# Altium PCB NC1-1A-BASIS.PcbDoc (part 2 of 3) (continued)
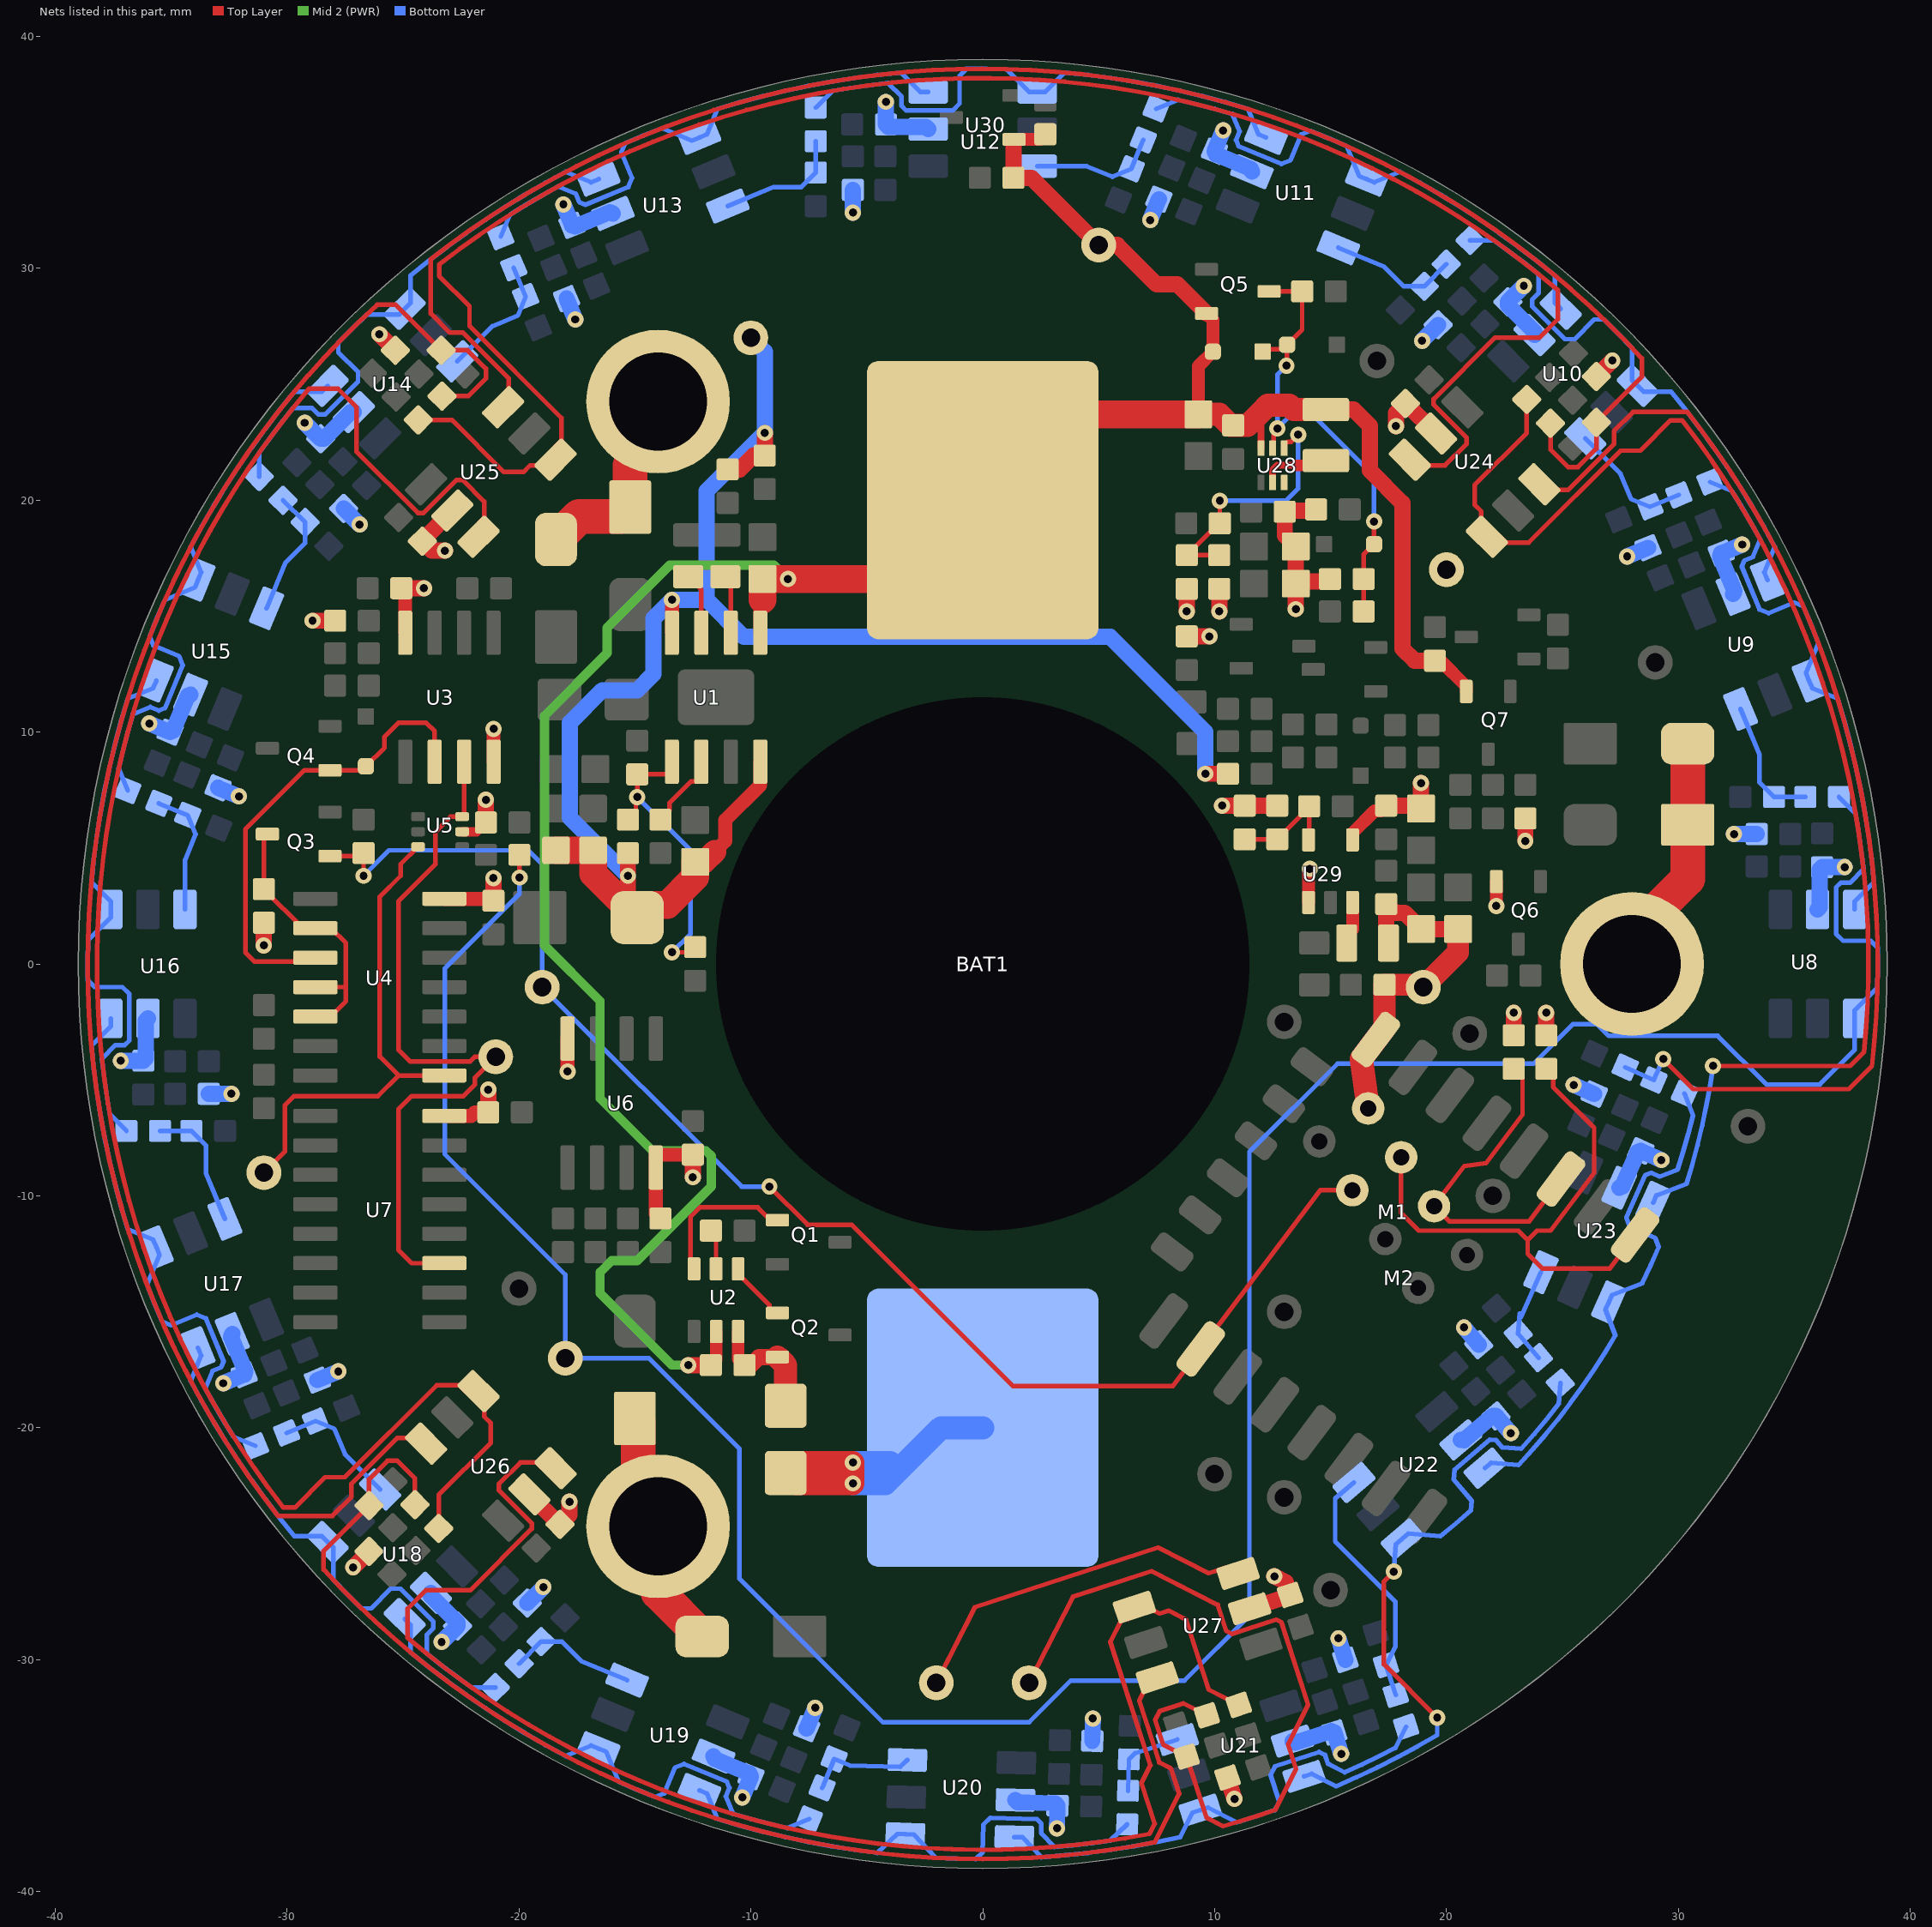
[diagram p4: the nets of this part, all layers, seen from the top]
## Part data (continued)
U30: "Ultra Low Power Hall Switch Open Drain", JLC Type=Extended, Manufacturer="UTC(Unisonic Tech)", Manufacturer Part Number 3=UHE4913G-AE3-R, Package=SOT23, HelpURL=https://datasheet.lcsc.com/lcsc/1811061532_UTC-Unisonic-Tech-UHE4913G-AE3-R_C86815.pdf, Manufacturer 3="UTC(Unisonic Tech)", Part Number=UHE4913, Supplier 3=LCSC, Supplier Part Number 3=C86815

## Via types
v1: diameter 0.7, hole 0.35, Top Layer to Bottom Layer, tented both sides, 200 vias
v2: diameter 0.7, hole 0.35, Top Layer to Bottom Layer, 8 vias

## Nets (pads, with @x,y where several pads share a name; then routed paths per layer and width w, separated by ;. In a path a pad name is that pad's centre, name@x,y a point inside that pad or via, vN(x,y) a via of type N, cw(c..) or ccw(c..) an arc to the next point about the centre after c; other vN are vias at no path point)
3V3_FB: C58.2 R81.2 R84.1 U29.5 | length 4.9
  Top Layer w0.2: C58.2@11.3,5.375 R81.2@12.7,5.375 14.075,6.75 R84.1@14.075,6.8 14.075,5.375 U29.5@14.05,5.35
3V3_SW: L2.1 U29.3 | length 1.9
  Top Layer w0.55: L2.1@15.7,0.9 15.7,1.25 15.95,1.5 U29.3@15.95,2.65
5V2_FB: C55.2 R80.2 R83.2 U28.1@13,22.24 | length 11.2
  Top Layer w0.2: C55.2@10.2,17.625 R80.2@8.8,17.625 9.8,18.625 9.85,18.625 R83.2@10.225,19 v1(10.225,19.975) ; U28.1@13,22.24 13,22.368 13.15,22.518 13.3,22.518 v1(13.603,22.821)
  Bottom Layer w0.2: v1(10.225,19.975) 13.075,19.975 13.603,20.503 v1(13.603,22.821)
5V2_SW: L1.2 U28.5 | length 3
  Top Layer w0.3: U28.5@12.5,20.76 12.5,21.3 12.7,21.5 13.5,21.5
  Top Layer w0.5: 13.5,21.5 14.6,21.5 L1.2@14.8,21.7
+3V3: C58.1 C64.2 C65.1 C66.1 L2.2 M1.8 M2.8 Q6.2 R10.1 R11.1 R81.1 R89.1 R90.1 TP18.1 | length 22.1
  Top Layer w0.55: v1(22.15,2.5) Q6.2@22.15,3.55
  Top Layer w0.7: v1(10.325,6.825) C58.1@11.3,6.825 R81.1@12.7,6.825 ; L2.2@17.5,0.9 17.4,1 C64.2@17.4,2.575 17.775,2.2 18.2,2.2 C65.1@18.9,1.5 C66.1@20.5,1.5 ; R11.1@22.9,-3.075 v1(22.9,-2.1) ; v1(23.4,5.3) R90.1@23.4,6.275 ; R10.1@24.3,-3.075 v1(24.3,-2.1)
  Top Layer w0.95: M2.8@17.325,-2.764 R89.1@17.325,-0.9 18.9,-0.9 TP18.1@19,-1 20.5,0.5 C66.1@20.5,1.5
  Top Layer w1: M1.8@16.622,-6.231 16.322,-4.095 M2.8@16.953,-3.259 M2.8@17.325,-2.764
+5V2: C5.1 C8.1 C9.1 C13.1 C14.1 C15.1 C17.1 C19.1 C21.1 C23.1 C25.1 C27.1 C29.1 C31.1 C33.1 C35.1 C37.1 C39.1 C41.1 C43.1 C45.1 C47.1 C49.1 C51.1 C53.1 C55.1 C59.2 C60.1 C61.1 C62.1 C63.2 C67.2 R12.1 R13.1 R17.1 R20.1 R23.1 R26.1 R29.1 R32.1 R35.1 R38.1 R41.1 R44.1 R47.1 R50.1 R53.1 R56.1 R59.1 R62.1 R65.1 R68.1 R71.1 R74.1 R77.1 R80.1 R85.2 R88.1 TP17.1 U3.4 U3.8 U4.14 U5.5 U6.4 U6.8 U7.16 U8.2 U9.2 U10.2 U11.2 U12.2 U13.2 U14.2 U15.2 U16.2 U17.2 U18.2 U19.2 U20.2 U21.2 U22.2 U23.2 U24.2 U25.2 U26.2 U27.2 U28.6 U29.1@14.05,2.65 U29.4 | length 115.5
  Top Layer w0.4: U5.5@-22.45,5.7 -21.825,5.7 C9.1@-21.425,6.1
  Top Layer w0.55: U29.1@14.05,2.65 14.05,4.05 v1(14.1,4.1) ; U29.4@15.95,5.35 15.95,5.65 16.9,6.6 17.175,6.6 C63.2@17.4,6.825
  Top Layer w0.6: C5.1@-25.075,16.2 -24.905,16.03 U3.8@-24.905,14.28 ; U7.16@-23.22,-6.555 -22.055,-6.555 -21.9,-6.4 C14.1@-21.325,-6.4 ; U4.14@-23.22,2.81 -23.215,2.805 -21.18,2.805 C8.1@-21.1,2.725 ; U3.4@-21.095,8.72 v1(-21.095,10.14) ; v1(-17.905,-4.64) U6.4@-17.905,-3.22 ; R17.1@-13.9,-10.975 -14.095,-10.78 U6.8@-14.095,-8.78 -14.095,-8.225 C13.1@-12.5,-8.225
  Top Layer w0.7: v1(-31,0.8) R12.1@-31,1.775 ; v1(-28.9,14.8) R13.1@-27.925,14.8 ; v1(-27.153,-26.022) R74.1@-26.463,-25.332 ; v1(-26.022,27.153) R71.1@-25.332,26.463 ; C5.1@-25.075,16.2 v1(-24.1,16.2) ; C49.1@-24.165,18.226 -23.759,17.819 v1(-23.193,17.819) ; C49.1@-24.165,18.261 U25.2@-22.875,19.552 ; C9.1@-21.425,6.1 v1(-21.425,7.075) ; C14.1@-21.325,-6.4 v1(-21.325,-5.425) ; C8.1@-21.1,2.725 v1(-21.1,3.7) ; U26.2@-19.552,-22.875 C51.1@-18.261,-24.165 ; C51.1@-18.226,-24.165 -17.819,-23.759 v1(-17.819,-23.193) ; v1(-12.5,-9.2) C13.1@-12.5,-8.225 ; R88.1@8.8,14.125 v1(9.775,14.125) ; v1(8.8,15.2) R80.1@8.8,16.175 ; v1(10.2,15.2) C55.1@10.2,16.175 ; R77.1@10.557,-35.08 v1(10.858,-36.007) ; U27.2@11.505,-27.806 C53.1@13.241,-27.242 ; v1(12.576,-26.406) 13.08,-26.663 C53.1@13.257,-27.21 ; v1(13.5,15.3) C60.1@13.5,16.4 ; R85.2@14.375,19.6 14.325,19.55 13.075,19.55 C59.2@13.025,19.5 13.025,18.475 C61.1@13.5,18 C60.1@13.5,16.4 ; C67.2@14.975,16.6 14.875,16.5 13.6,16.5 C60.1@13.5,16.4 ; C63.2@17.4,6.825 18.775,6.825 C62.1@18.9,6.7 v1(18.9,7.8) ; v1(17.819,23.193) 17.819,23.759 C47.1@18.226,24.165 ; C47.1@18.261,24.165 U24.2@19.552,22.875 ; R68.1@26.463,25.332 v1(27.153,26.022)
  Bottom Layer w0.7: v1(-37.175,-4.175) C31.1@-36.2,-4.175 -36.1,-4.075 -36.1,-2.45 U16.2@-36,-2.35 ; v1(-35.943,10.369) C29.1@-35.042,9.996 -34.911,10.05 -34.29,11.551 U15.2@-34.159,11.605 ; R44.1@-33.375,-5.6 v1(-32.4,-5.6) ; R41.1@-32.978,7.598 v1(-32.077,7.225) ; v1(-32.748,-18.083) C33.1@-31.847,-17.71 -31.793,-17.58 -32.414,-16.078 U17.2@-32.36,-15.948 ; v1(-29.239,23.335) C27.1@-28.549,22.645 -28.408,22.645 -27.259,23.794 U14.2@-27.118,23.794 ; R47.1@-28.691,-17.946 v1(-27.791,-17.573) ; R38.1@-27.559,19.64 v1(-26.87,18.95) ; U18.2@-23.794,-27.118 -23.794,-27.259 -22.645,-28.408 C35.1@-22.645,-28.549 v1(-23.335,-29.239) ; R50.1@-19.64,-27.56 v1(-18.95,-26.87) ; v1(-18.083,32.748) C25.1@-17.71,31.847 -17.58,31.793 -16.078,32.414 U13.2@-15.948,32.36 ; R35.1@-17.946,28.691 v1(-17.573,27.791) ; U19.2@-11.605,-34.159 -11.551,-34.29 -10.05,-34.911 C37.1@-9.996,-35.042 v1(-10.369,-35.943) ; R53.1@-7.598,-32.978 v1(-7.225,-32.077) ; v1(-5.6,32.4) R32.1@-5.6,33.375 ; v1(-4.175,37.175) C23.1@-4.175,36.2 -4.075,36.1 -2.45,36.1 U12.2@-2.35,36 ; U20.2@1.407,-36.049 1.504,-36.152 3.129,-36.194 C39.1@3.226,-36.297 v1(3.2,-37.272) ; R56.1@4.724,-33.51 v1(4.75,-32.535) ; v1(7.225,32.077) R29.1@7.598,32.978 ; v1(10.369,35.943) C21.1@9.996,35.042 10.05,34.911 11.551,34.29 U11.2@11.605,34.159 ; U21.2@13.36,-33.512 13.486,-33.576 15.031,-33.074 C41.1@15.157,-33.138 v1(15.458,-34.065) ; v1(15.338,-29.084) R59.1@15.639,-30.011 ; v1(18.95,26.87) R26.1@19.64,27.56 ; U22.2@20.621,-20.526 20.762,-20.537 21.998,-19.481 C43.1@22.139,-19.492 v1(22.772,-20.234) ; v1(20.754,-15.677) R62.1@21.387,-16.419 ; v1(23.335,29.239) C19.1@22.645,28.549 22.645,28.408 23.794,27.259 U10.2@23.794,27.118 ; v1(25.482,-5.215) R65.1@26.373,-5.612 ; U23.2@27.449,-9.649 27.581,-9.598 28.242,-8.113 C45.1@28.374,-8.063 v1(29.264,-8.459) ; v1(27.791,17.573) R23.1@28.691,17.946 ; U9.2@32.36,15.948 32.414,16.078 31.793,17.58 C17.1@31.847,17.71 v1(32.748,18.083) ; v1(32.4,5.6) R20.1@33.375,5.6 ; U8.2@36,2.35 36.1,2.45 36.1,4.075 C15.1@36.2,4.175 v1(37.175,4.175)
+5V_CHG: C3.1 D4.1 R1.2 R2.2 R3.1 R4.1 R5.1 R94.1 TP1.1 U1.4 U1.8 | length 77.9
  Top Layer w0.6: U1.8@-13.4,14.285 v1(-13.4,15.7) ; -11.55,4.85 -11.1,5.3 -11.1,6.2 -9.595,7.705 U1.4@-9.595,8.72
  Top Layer w0.7: R5.1@-15.3,4.775 v1(-15.3,3.8) -15.3,2.4 D4.1@-14.9,2 ; R4.1@-11,21.325 -10.475,21.325 -9.875,21.925 R3.1@-9.4,21.925 v1(-9.4,22.9) ; v1(9.6,8.2) R94.1@10.575,8.2
  Top Layer w1: C3.1@-12.4,4.4 -12,4.4 -11.55,4.85
  Top Layer w1.2: R1.2@-18.4,4.9 R2.2@-16.8,4.9 -16.8,3.9 D4.1@-15.3,2.4 ; D4.1@-14.9,2 -14.35,2.55 -13.594,2.55 -12.4,3.744 C3.1@-12.4,4.4
  Bottom Layer w0.7: v1(-15.3,3.8) -17.8,6.3 -17.8,8.2 -17.8,10.402 -16.402,11.8 -14.902,11.8 -14.2,12.502 -14.2,14.9 v1(-13.4,15.7) -11.9,15.7 ; TP1.1@-10,27 -9.4,26.4 v1(-9.4,22.9) -11.9,20.4 -11.9,15.7 ; v1(9.6,8.2) 9.6,10 5.5,14.1 -10.3,14.1 -11.9,15.7
+VBAT: BAT1.1 C2.1 C4.1 C56.1 C57.2 C68.1 D11.1 L1.1 Q5.2 Q7.2 R82.1 R91.1 TP2.1 U1.5 U2.5 U28.3 U30.1@1.35,35.55 | length 119.9
  Top Layer w0.3: U28.3@12,22.24 12,23.8
  Top Layer w0.55: C4.1@-11.725,-17.3 -11.49,-17.065 U2.5@-11.49,-15.85 ; U30.1@1.35,35.55 2.475,35.55 R82.1@2.7,35.775 ; C56.1@9.3,23.7 9.3,25.775 D11.1@9.925,26.4 9.925,27.775 Q5.2@9.65,28.05 ; R91.1@19.5,13.075 19.75,13.075 20.85,11.975 Q7.2@20.85,11.75
  Top Layer w0.6: U1.5@-9.595,14.28 -9.595,15.605 -9.5,15.7
  Top Layer w0.7: v1(-12.7,-17.3) C4.1@-11.725,-17.3 ; U30.1@1.325,35.475 C68.1@1.325,33.9 2.1,33.9 TP2.1@5,31 5.8,31 7.5,29.3 8.4,29.3 Q5.2@9.65,28.05 ; L1.1@14.8,23.9 16,23.9 16.7,23.2 16.7,21.275 18.1,19.875 18.1,13.6 18.625,13.075 R91.1@19.5,13.075
  Top Layer w1: C56.1@9.3,23.7 10.2,23.7 10.675,23.225 C57.2@10.8,23.225 11.425,23.225 12,23.8 12.3,24.1 13.214,24.1 13.414,23.9 L1.1@14.8,23.9
  Top Layer w1.2: -9.5,15.7 C2.1@-9.5,16.6 v1(-8.4,16.6) -3.4,16.6 3.7,23.7 C56.1@9.3,23.7
  Mid 2 (PWR) w0.4: v1(-12.7,-17.3) -13.4,-17.3 -16.5,-14.2 -16.5,-13.3 -16,-12.8 -14.9,-12.8 -11.7,-9.6 -11.7,-8.284 -11.934,-8.05 -14.25,-8.05 -16.5,-5.8 -16.5,-1.6 -18.9,0.8 -18.9,10.7 -16.2,13.4 -16.2,14.5 -13.5,17.2 -9,17.2 v1(-8.4,16.6)
-VBAT: BAT1.2 F2.1 | length 16.2
  Top Layer w1: F2.1@-8.5,-21.95 -8.05,-22.4 -7.1,-22.4 v1(-5.6,-22.4) v1(-5.6,-21.5) -7.1,-21.5 -8.05,-21.5 F2.1@-8.5,-21.95
  Bottom Layer w1: BAT1.2@-4,-21.5 v1(-5.6,-21.5) v1(-5.6,-22.4) -4.2,-22.4 -3.65,-21.85 -1.8,-20 BAT1.2@0,-20
-VBAT_PROT: C4.2 F2.2 Q2.2 U2.6 | length 5.4
  Top Layer w0.55: U2.6@-10.55,-15.85 -10.55,-17.025 C4.2@-10.275,-17.3
  Top Layer w0.7: C4.2@-10.275,-17.3 -10,-17.3 -9.65,-16.95 Q2.2@-8.85,-16.95
  Top Layer w1: Q2.2@-8.85,-16.95 -8.5,-17.3 F2.2@-8.5,-19.05
B1: R21.2 R22.2 U9.6 | length 5.6
  Bottom Layer w0.2: U9.6@32.681,10.993 33.5,9.015 33.5,7.825 R21.2@34.125,7.2 R22.2@35.475,7.2
B2: R24.2 R25.2 U10.6 | length 5.6
  Bottom Layer w0.2: U10.6@25.986,22.663 27.5,21.149 27.955,20.049 R24.2@28.772,19.711 R25.2@30.019,20.228
B3: R27.2 R28.2 U11.6 | length 5.6
  Bottom Layer w0.2: U11.6@15.335,30.882 17.313,30.063 18.155,29.221 R27.2@19.039,29.221 R28.2@19.993,30.176
B4: R30.2 R31.2 U12.6 | length 5.6
  Bottom Layer w0.2: U12.6@2.35,34.4 4.491,34.4 5.591,33.944 R30.2@6.407,34.283 R31.2@6.924,35.53
B5: R33.2 R34.2 U13.6 | length 5.6
  Bottom Layer w0.2: U13.6@-10.993,32.681 -9.015,33.5 -7.825,33.5 R33.2@-7.2,34.125 R34.2@-7.2,35.475
B6: R36.2 R37.2 U14.6 | length 5.6
  Bottom Layer w0.2: U14.6@-22.663,25.986 -21.149,27.5 -20.049,27.955 R36.2@-19.711,28.772 R37.2@-20.228,30.019
B7: R39.2 R40.2 U15.6 | length 5.6
  Bottom Layer w0.2: U15.6@-30.882,15.335 -30.063,17.313 -29.221,18.155 R39.2@-29.221,19.039 R40.2@-30.176,19.993
B8: R42.2 R43.2 U16.6 | length 5.6
  Bottom Layer w0.2: R43.2@-35.53,6.924 R42.2@-34.283,6.407 -33.944,5.591 -34.4,4.491 U16.6@-34.4,2.35
B9: R45.2 R46.2 U17.6 | length 5.6
  Bottom Layer w0.2: R46.2@-35.475,-7.2 R45.2@-34.125,-7.2 -33.5,-7.825 -33.5,-9.015 U17.6@-32.681,-10.993
B10: R48.2 R49.2 U18.6 | length 5.6
  Bottom Layer w0.2: R49.2@-30.019,-20.228 R48.2@-28.772,-19.711 -27.955,-20.049 -27.5,-21.149 U18.6@-25.986,-22.663
B11: R51.2 R52.2 U19.6 | length 5.6
  Bottom Layer w0.2: R52.2@-19.993,-30.176 R51.2@-19.039,-29.221 -18.155,-29.221 -17.313,-30.063 U19.6@-15.335,-30.882
B12: R54.2 R55.2 U20.6 | length 4.7
  Bottom Layer w0.2: R55.2@-6.924,-35.53 R54.2@-6.407,-34.283 -5.732,-34.562 -3.558,-34.619 U20.6@-3.25,-34.327
B13: R57.2 R58.2 U21.6 | length 3.6
  Bottom Layer w0.2: R58.2@6.269,-35.651 R57.2@6.304,-34.302 6.571,-34.035 U21.6@8.395,-33.443
B14: R60.2 R61.2 U22.6 | length 10.8
  Bottom Layer w0.2: U22.6@16.008,-22.361 15.2,-23.051 15.2,-24.9 17.794,-27.494 17.794,-29.442 R60.2@17.393,-30.23 R61.2@17.81,-31.514
B15: R63.2 R64.2 U23.6 | length 4.4
  Bottom Layer w0.2: 23.161,-15.069 R63.2@23.091,-15.95 R64.2@23.968,-16.977 ; 23.205,-15.247 U23.6@24.075,-13.291
B16: R66.2 R67.2 U24.6 | length 50.6
  Top Layer w0.2: U24.6@24.006,20.683 24.254,20.435 25.244,20.435 27.224,22.415 27.224,22.981 28.043,23.8 30.389,23.8 cw(c0,0) 38.349,-4.394 37.343,-5.4 30.644,-5.4 v1(29.344,-4.1)
  Bottom Layer w0.2: R66.2@27.708,-4.455 R67.2@28.942,-5.004 v1(29.344,-4.1)
B17: R69.2 R70.2 U25.6 | length 74.3
  Top Layer w0.2: U25.6@-20.683,24.006 -20.435,24.254 -20.435,25.244 -22.415,27.224 -22.981,27.224 -23.8,28.043 -23.8,30.389 cw(c0,0) 28.426,26.114 28.426,25.314 R69.2@26.463,23.352 26.463,22.221 25.668,21.425 25.244,21.425 24.484,22.185 R70.2@24.484,23.317
B18: R72.2 R73.2 U26.6 | length 74.3
  Top Layer w0.2: U26.6@-24.006,-20.683 -24.254,-20.435 -25.244,-20.435 -27.224,-22.415 -27.224,-22.981 -28.043,-23.8 -30.389,-23.8 cw(c0,0) -26.114,28.426 -25.314,28.426 R72.2@-23.352,26.463 -22.221,26.463 -21.425,25.668 -21.425,25.244 -22.185,24.484 R73.2@-23.317,24.484
B19: R75.2 R76.2 U27.6 | length 56.1
  Top Layer w0.2: R76.2@-24.484,-23.317 -24.484,-22.185 -25.244,-21.425 -25.668,-21.425 -26.463,-22.221 R75.2@-26.463,-23.352 -28.426,-25.314 -28.426,-26.114 ccw(c0,0) 7.409,-37.882 8.475,-35.791 8.117,-34.69 7.613,-34.433 6.748,-31.77 7.197,-30.888 U27.6@7.53,-30.78
B20: R78.2 R79.2 TP16.1 | length 34.2
  Top Layer w0.2: TP16.1@2,-31 3.895,-27.282 7.279,-26.182 10.137,-27.638 10.502,-28.762 10.754,-28.891 12.656,-28.273 12.877,-28.385 14.036,-31.952 13.166,-33.657 13.511,-34.718 12.613,-36.481 cw(c0,0) 10.363,-37.183 9.65,-36.82 R78.2@8.793,-34.181 7.785,-33.667 7.437,-32.597 7.63,-32.219 8.652,-31.887 R79.2@9.66,-32.401
BMS_CS: R9.1 U2.2 | length 1.7
  Top Layer w0.2: R9.1@-11.725,-11.5 -11.5,-11.725 U2.2@-11.5,-13.15
BMS_OC: Q1.1@-8.85,-11.05 U2.3 | length 6.5
  Top Layer w0.2: U2.3@-12.45,-13.15 -12.6,-13 -12.6,-10.9 -12.2,-10.5 -9.7,-10.5 -9.15,-11.05 Q1.1@-8.85,-11.05
BMS_OD: Q2.1@-8.85,-15.05 U2.1@-10.55,-13.15 | length 2.7
  Top Layer w0.2: U2.1@-10.55,-13.15 -10.55,-13.35 -9.2,-14.7 -9.2,-14.9 -9.05,-15.05 Q2.1@-8.85,-15.05
CHG_A: D1.2 D7.1 J1.1 | length 10.5
  Top Layer w1.5: J1.1@28,0 28,1.272 30.4,3.672 D7.1@30.4,9.5
CHG_B: D2.2 D8.1 J2.1 | length 8.6
  Top Layer w1.5: D8.1@-18.4,18.3 -17.4,19.3 -15.6,19.3 D2.2@-15.2,19.7 ; D2.2@-15.2,19.9 -15.2,21.5 -14,22.7 J2.1@-14,24.249
CHG_C: D3.2 D9.1 J3.1 | length 10.6
  Top Layer w1.5: D3.2@-15,-19.6 -14.85,-19.75 -14.85,-23.399 J3.1@-14,-24.249 -14,-27.1 D9.1@-12.1,-29
CHG_CHRG: D6.1 U1.7 | length 2.7
  Top Layer w0.2: D6.1@-12.7,16.7 -12.135,16.135 U1.7@-12.135,14.28
CHG_PROG: R8.1 U1.2 | length 3.4
  Top Layer w0.2: R8.1@-13.9,6.225 -13.5,6.625 -13.5,6.949 -12.584,7.865 -12.34,7.865 -12.135,8.07 U1.2@-12.135,8.72
CHG_STDBY: D5.1 U1.6 | length 2.5
  Top Layer w0.2: D5.1@-11.1,16.7 -10.865,16.465 U1.6@-10.865,14.28
CHG_TEMP: R5.2 R6.1 R7.1 U1.1@-13.405,8.72 | length 13.1
  Top Layer w0.2: R5.2@-15.3,6.225 -14.96,6.565 -14.96,7.14 v1(-14.9,7.2) R7.1@-14.9,8.175 -13.61,8.175 -13.405,8.38 U1.1@-13.405,8.72 ; v1(-13.4,0.5) -12.625,0.5 R6.1@-12.4,0.725
  Bottom Layer w0.2: v1(-14.9,7.2) -12.6,4.9 -12.6,1.3 v1(-13.4,0.5)
D1: R25.1 U8.3 U9.4 | length 23.6
  Bottom Layer w0.2: R25.1@31.359,20.783 32.302,20.392 cw(c0,0) 33.528,18.306 33.214,17.546 32.844,17.393 32.736,17.132 33.501,15.284 33.893,15.121 35.002,15.581 35.385,15.422 cw(c0,0) 36.037,13.83 35.503,12.541 U9.4@35.637,12.218 35.771,11.894 36.865,11.441 cw(c0,0) 38.438,3.538 37.6,2.7 U8.3@37.6,2.35
D2: R28.1 U9.3 U10.4 | length 23.6
  Bottom Layer w0.2: R28.1@21.019,31.201 22.039,31.201 cw(c0,0) 23.971,29.743 23.971,28.921 23.688,28.638 23.688,28.355 25.102,26.941 25.527,26.941 26.375,27.789 26.79,27.789 cw(c0,0) 28.001,26.568 28.001,25.173 U10.4@28.249,24.926 28.496,24.678 29.681,24.678 cw(c0,0) 34.158,17.978 33.705,16.883 U9.3@33.839,16.56
D3: R31.1 U10.3 U11.4 | length 23.6
  Bottom Layer w0.2: R31.1@7.479,36.87 8.422,37.26 cw(c0,0) 10.764,36.652 11.079,35.892 10.926,35.523 11.034,35.262 12.882,34.496 13.274,34.659 13.733,35.767 14.116,35.926 cw(c0,0) 15.703,35.262 16.237,33.972 U11.4@16.56,33.839 16.883,33.705 17.978,34.158 cw(c0,0) 24.678,29.681 24.678,28.496 U10.3@24.926,28.249
D4: R34.1 U11.3 U12.4 | length 23.6
  Bottom Layer w0.2: R34.1@-7.2,36.925 -6.478,37.647 cw(c0,0) -4.081,37.981 -3.5,37.4 -3.5,37 -3.3,36.8 -1.3,36.8 -1,37.1 -1,38.3 -0.706,38.594 cw(c0,0) 1.013,38.587 2,37.6 U12.4@2.35,37.6 2.7,37.6 3.538,38.438 cw(c0,0) 11.441,36.865 11.894,35.771 U11.3@12.218,35.637
D5: R37.1 U12.3 U13.4 | length 23.6
  Bottom Layer w0.2: R37.1@-20.783,31.359 -20.392,32.302 cw(c0,0) -18.306,33.528 -17.546,33.214 -17.393,32.844 -17.132,32.736 -15.284,33.501 -15.121,33.893 -15.581,35.002 -15.422,35.385 cw(c0,0) -13.83,36.037 -12.541,35.503 U13.4@-12.218,35.637 -11.894,35.771 -11.441,36.865 cw(c0,0) -3.538,38.438 -2.7,37.6 U12.3@-2.35,37.6
D6: R40.1 U13.3 U14.4 | length 23.6
  Bottom Layer w0.2: R40.1@-31.201,21.019 -31.201,22.039 cw(c0,0) -29.743,23.971 -28.921,23.971 -28.638,23.688 -28.355,23.688 -26.941,25.102 -26.941,25.527 -27.789,26.375 -27.789,26.79 cw(c0,0) -26.568,28.001 -25.173,28.001 U14.4@-24.926,28.249 -24.678,28.496 -24.678,29.681 cw(c0,0) -17.978,34.158 -16.883,33.705 U13.3@-16.56,33.839
D7: R43.1 U14.3 U15.4 | length 23.6
  Bottom Layer w0.2: R43.1@-36.87,7.479 -37.26,8.422 cw(c0,0) -36.652,10.764 -35.892,11.079 -35.523,10.926 -35.262,11.034 -34.496,12.882 -34.659,13.274 -35.767,13.733 -35.926,14.116 cw(c0,0) -35.262,15.703 -33.972,16.237 U15.4@-33.839,16.56 -33.705,16.883 -34.158,17.978 cw(c0,0) -29.681,24.678 -28.496,24.678 U14.3@-28.249,24.926
D8: R46.1 U15.3 U16.4 | length 23.6
  Bottom Layer w0.2: R46.1@-36.925,-7.2 -37.647,-6.478 cw(c0,0) -37.981,-4.081 -37.4,-3.5 -37,-3.5 -36.8,-3.3 -36.8,-1.3 -37.1,-1 -38.3,-1 -38.594,-0.706 cw(c0,0) -38.587,1.013 -37.6,2 U16.4@-37.6,2.35 -37.6,2.7 -38.438,3.538 cw(c0,0) -36.865,11.441 -35.771,11.894 U15.3@-35.637,12.218
D9: R49.1 U16.3 U17.4 | length 23.6
  Bottom Layer w0.2: U16.3@-37.6,-2.35 -37.6,-2.7 -38.438,-3.538 ccw(c0,0) -36.865,-11.441 -35.771,-11.894 U17.4@-35.637,-12.218 -35.503,-12.541 -36.037,-13.83 ccw(c0,0) -35.385,-15.422 -35.002,-15.581 -33.893,-15.121 -33.501,-15.284 -32.736,-17.132 -32.844,-17.393 -33.214,-17.546 -33.528,-18.306 ccw(c0,0) -32.302,-20.392 R49.1@-31.359,-20.783
D10: R52.1 U17.3 U18.4 | length 23.6
  Bottom Layer w0.2: U17.3@-33.839,-16.56 -33.705,-16.883 -34.158,-17.978 ccw(c0,0) -29.681,-24.678 -28.496,-24.678 U18.4@-28.249,-24.926 -28.001,-25.173 -28.001,-26.568 ccw(c0,0) -26.79,-27.789 -26.375,-27.789 -25.527,-26.941 -25.102,-26.941 -23.688,-28.355 -23.688,-28.638 -23.971,-28.921 -23.971,-29.743 ccw(c0,0) -22.039,-31.201 R52.1@-21.019,-31.201
D11: R55.1 U18.3 U19.4 | length 23.6
  Bottom Layer w0.2: U18.3@-24.926,-28.249 -24.678,-28.496 -24.678,-29.681 ccw(c0,0) -17.978,-34.158 -16.883,-33.705 U19.4@-16.56,-33.839 -16.237,-33.972 -15.703,-35.262 ccw(c0,0) -14.116,-35.926 -13.733,-35.767 -13.274,-34.659 -12.882,-34.496 -11.034,-35.262 -10.926,-35.523 -11.079,-35.892 -10.764,-36.652 ccw(c0,0) -8.422,-37.26 R55.1@-7.479,-36.87
D12: R58.1 U19.3 U20.4 | length 22.6
  Bottom Layer w0.2: U19.3@-12.218,-35.637 -11.894,-35.771 -11.441,-36.865 ccw(c0,0) -4.543,-38.332 -3.683,-37.516 U20.4@-3.333,-37.526 -2.984,-37.535 -2.023,-38.547 ccw(c0,0) -0.304,-38.599 -0.003,-38.313 0.028,-37.113 0.336,-36.821 2.336,-36.874 2.53,-37.079 2.52,-37.479 3.086,-38.075 ccw(c0,0) 5.491,-37.803 R58.1@6.231,-37.101
D13: R61.1 U20.3 U21.4 | length 21.6
  Bottom Layer w0.2: U20.3@1.365,-37.649 1.715,-37.658 2.53,-38.517 ccw(c0,0) 8.513,-37.649 9.051,-36.594 U21.4@9.384,-36.486 9.717,-36.378 10.96,-37.011 ccw(c0,0) 12.598,-36.486 12.786,-36.116 12.416,-34.975 12.608,-34.597 14.51,-33.979 14.762,-34.108 14.886,-34.488 15.618,-34.861 ccw(c0,0) 17.795,-33.802 R61.1@18.258,-32.893
D14: R64.1 U21.3 U22.4 | length 28.6
  Top Layer w0.2: v1(17.727,-26.203) 17.3,-26.63 17.3,-30.2 v1(19.6,-32.5)
  Bottom Layer w0.2: U21.3@13.854,-35.034 14.187,-34.925 15.242,-35.463 ccw(c0,0) 19.6,-33.254 v1(19.6,-32.5) ; v1(17.727,-26.203) 17.82,-25.022 U22.4@18.086,-24.795 18.352,-24.567 19.743,-24.677 ccw(c-4.546,5.323) 21.056,-23.565 21.088,-23.151 20.309,-22.239 20.342,-21.816 21.863,-20.517 22.145,-20.539 22.405,-20.843 23.224,-20.908 ccw(c0,0) 24.84,-18.959 R64.1@24.91,-18.079
D15: R67.1 U22.3 U23.4 | length 22.5
  Bottom Layer w0.2: U22.3@21.66,-21.742 21.926,-21.515 23.107,-21.608 ccw(c0,0) 27.281,-16.019 26.856,-14.913 U23.4@26.999,-14.593 27.141,-14.273 28.444,-13.773 ccw(c-6.395,2.847) 29.149,-12.205 29.001,-11.817 27.904,-11.329 27.752,-10.933 28.566,-9.106 28.83,-9.005 29.195,-9.167 29.963,-8.873 ccw(c-6.395,2.847) 30.632,-6.547 R67.1@30.266,-5.594
D16: R70.1 U23.3 U24.4 | length 60.5
  Top Layer w0.2: R70.1@23.458,24.342 23.458,22.893 21.213,20.648 21.213,19.799 21.496,19.516 21.496,18.668 U24.4@21.744,18.42 22.309,18.42 22.557,18.173 23.547,18.173 27.506,22.132 28.355,22.132 29.664,23.441 30.162,23.441 cw(c0,0) 38.011,-3.791 37.403,-4.399 v1(31.494,-4.399)
  Bottom Layer w0.2: U23.3@28.91,-10.299 29.053,-9.98 30.354,-9.48 ccw(c0,0) v1(31.494,-4.399)
D17: R73.1 U24.3 U25.4 | length 83.5
  Top Layer w0.2: R73.1@-24.342,23.458 -22.893,23.458 -20.648,21.213 -19.799,21.213 -19.516,21.496 -18.668,21.496 U25.4@-18.42,21.744 -18.42,22.309 -18.173,22.557 -18.173,23.547 -22.132,27.506 -22.132,28.355 -23.441,29.664 -23.441,30.162 cw(c0,0) 24.8,29.055 24.8,27.8 24.011,27.011 22.097,27.011 19.445,24.36 19.445,24.112 20.86,22.698 20.86,22.415 19.94,21.496 19.233,21.496 18.986,21.744 U24.3@18.42,21.744
D18: R76.1 U25.3 U26.4 | length 83.5
  Top Layer w0.2: R76.1@-23.458,-24.342 -23.458,-22.893 -21.213,-20.648 -21.213,-19.799 -21.496,-19.516 -21.496,-18.668 U26.4@-21.744,-18.42 -22.309,-18.42 -22.557,-18.173 -23.547,-18.173 -27.506,-22.132 -28.355,-22.132 -29.664,-23.441 -30.162,-23.441 cw(c0,0) -29.055,24.8 -27.8,24.8 -27.011,24.011 -27.011,22.097 -24.36,19.445 -24.112,19.445 -22.698,20.86 -22.415,20.86 -21.496,19.94 -21.496,19.233 -21.744,18.986 U25.3@-21.744,18.42
D19: R79.1 U26.3 U27.4 | length 65.5
  Top Layer w0.2: U26.3@-18.42,-21.744 -18.986,-21.744 -19.233,-21.496 -19.94,-21.496 -20.86,-22.415 -20.86,-22.698 -19.445,-24.112 -19.445,-24.36 -22.097,-27.011 -24.011,-27.011 -24.8,-27.8 -24.8,-29.055 ccw(c0,0) 7.193,-37.517 7.419,-37.072 6.847,-35.312 7.232,-34.556 5.502,-29.23 5.951,-28.348 6.284,-28.24 U27.4@6.541,-27.736 6.874,-27.628 7.63,-28.013 8.01,-27.89 8.766,-28.275 9.748,-31.294 R79.1@11.039,-31.953
D20: TP15.1 U27.3 | length 15.8
  Top Layer w0.2: TP15.1@-2,-31 -0.335,-27.733 7.565,-25.167 9.741,-26.276 10.507,-26.027 U27.3@11.011,-26.284
DATA: M1.3 M2.16 Q3.1@-28.15,4.65 R16.2 TP4.1 | length 62.5
  Top Layer w0.2: Q3.1@-28.15,4.65 -26.825,4.65 R16.2@-26.7,4.775 v1(-26.7,3.8) ; v1(-9.2,-9.6) -7.55,-11.25 -5.65,-11.25 1.3,-18.2 8.198,-18.2 M2.16@9.402,-16.601 14.56,-9.757 M1.3@15.937,-9.757
  Bottom Layer w0.2: v1(-26.7,3.8) -25.6,4.9 -19.6,4.9 -19,4.3 TP4.1@-19,-1 -10.4,-9.6 v1(-9.2,-9.6)
DATA_5V: Q3.3 R12.2 U4.2 U4.4 U4.5 | length 12.4
  Top Layer w0.2: Q3.3@-30.85,5.6 -31,5.45 R12.2@-31,3.225 -29.315,1.54 U4.2@-28.78,1.54 -28.1,1.54 -27.46,0.9 -27.46,-1 ; U4.5@-28.78,-2.27 -28.13,-2.27 -27.46,-1.6 -27.46,-1 ; U4.4@-28.78,-1 -27.46,-1
DATA_FAILSAFE: R18.2 R22.1 TP12.1 U8.4 | length 130.3
  Top Layer w0.2: v1(-19.975,3.725) R18.2@-19.975,4.7
  Bottom Layer w0.2: v1(-19.975,3.725) -19.975,3.025 -23.2,-0.2 -23.2,-8.2 -18,-13.4 TP12.1@-18,-17 -14.4,-17 -10.5,-20.9 -10.5,-26.5 -4.3,-32.7 2,-32.7 3.8,-30.9 8.7,-30.9 11.5,-28.1 11.5,-8.1 15.3,-4.3 23.75,-4.3 25.45,-2.6 26.5,-2.6 27,-3.1 31.7,-3.1 33.8,-5.2 36.1,-5.2 37.6,-3.7 U8.4@37.6,-2.35 37.6,-2 38.587,-1.013 ccw(c0,0) 38.594,0.706 38.3,1 37.1,1 36.8,1.3 36.8,3.3 37,3.5 37.4,3.5 37.981,4.081 ccw(c0,0) 37.647,6.478 R22.1@36.925,7.2
EN: C67.1 D11.2 D12.1 D13.1 Q5.3 R86.1 R87.1 U28.2 | length 21.5
  Top Layer w0.2: D11.2@12.075,26.4 12.175,26.5 12.925,26.5 D13.1@13.125,26.7 ; Q5.3@12.35,29 13.6,29 R86.1@13.775,29 13.775,27.35 D13.1@13.125,26.7 ; U28.2@12.5,22.24 12.55,22.29 12.55,22.8 12.707,22.958 v1(12.707,23.093) ; v1(13.1,25.8) 13.125,25.825 D13.1@13.125,26.7 ; R87.1@16.425,15.2 C67.1@16.425,16.6 16.425,17.65 D12.1@16.875,18.1 v1(16.875,19.075)
  Bottom Layer w0.2: v1(13.1,25.8) 12.707,25.407 v1(12.707,23.093) 13.414,23.8 14.1,23.8 16.875,21.025 v1(16.875,19.075)
ESP_EN: M1.6 M2.3 R11.2 | length 14.5
  Top Layer w0.2: R11.2@22.9,-4.525 23.28,-4.905 23.28,-6.498 21.707,-8.585 20.763,-8.718 M1.6@19.463,-10.443 20.12,-11.1 23.565,-11.1 M2.3@24.939,-9.277
ESP_RST: M1.7 M2.1 R10.2 | length 24.2
  Top Layer w0.2: M1.7@18.043,-8.337 18.043,-10.743 18.8,-11.5 23.1,-11.5 23.5,-11.9 ; R10.2@24.3,-4.525 24.6,-4.825 24.6,-5.3 26.366,-7.066 26.366,-9.017 24.496,-11.5 23.9,-11.5 23.5,-11.9 ; M2.1@28.134,-11.684 27.044,-13.13 24.13,-13.13 23.5,-12.5 23.5,-11.9
FS_ACT/: TP11.1 U3.3 U5.6 U7.11 | length 32
  Top Layer w0.2: U7.11@-23.22,-12.905 -24.621,-12.905 -25.2,-12.326 -25.2,-6.274 -24.626,-5.7 -22.4,-5.7 -21.9,-5.2 -21.9,-4.9 TP11.1@-21,-4 -21.9,-4 -22.1,-4.2 -24.7,-4.2 -25.2,-3.7 -25.2,2.7 -23.6,4.3 -23.6,5.7 -22.95,6.35 -22.365,6.35 U3.3@-22.365,8.72
FS_DATA: TP14.1 U4.8 U5.3 | length 21.6
  Top Layer w0.2: TP14.1@-31,-9 -30.1,-8.1 -30.1,-6.1 -29.7,-5.7 -26.08,-5.7 -25.19,-4.81 ; U5.3@-24.35,5.05 -25.1,4.3 -25.1,3.8 -26,2.9 -26,-4 -25.19,-4.81 ; U4.8@-23.22,-4.81 -25.19,-4.81
FS_EDGE/: D10.1 Q4.1@-28.15,8.35 U3.2 U4.3 | length 20.4
  Top Layer w0.2: U4.3@-28.78,0.27 -28.95,0.1 -31.4,0.1 -31.8,0.5 -31.8,5.8 -29.25,8.35 Q4.1@-28.15,8.35 -26.775,8.35 D10.1@-26.6,8.525 -25.8,9.325 -25.8,9.8 -25.2,10.4 -24,10.4 -23.635,10.035 U3.2@-23.635,8.72